# Altium PCB 2022飞镖系统主控板.V2.PcbDoc
Units mil, origin at the board's own origin, x right, y up, seen from the top; angles counter-clockwise.
Board outline 2334.28 x 3460 mil, 2 copper layers (Top Layer, Bottom Layer); 95 components, 63 nets, 328 pads, 227 vias.
Unrouted connection lines stored in the file: 1.
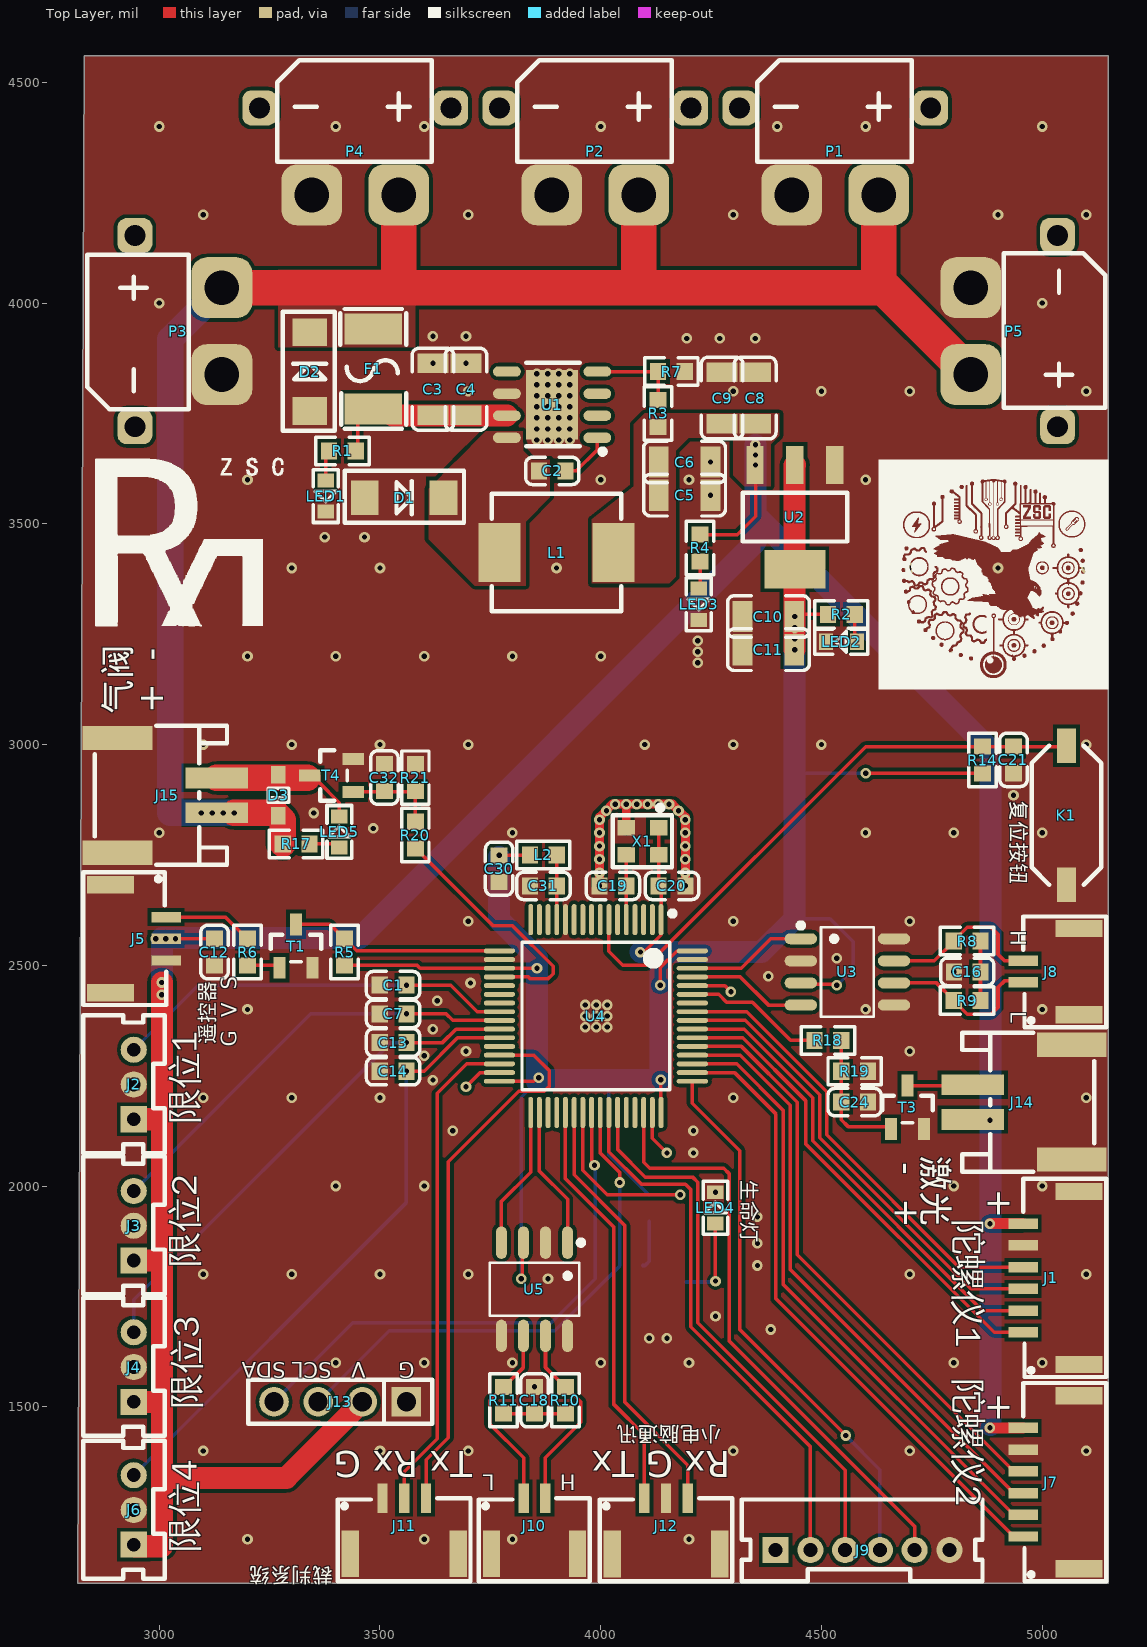
[diagram p0: Top Layer view]
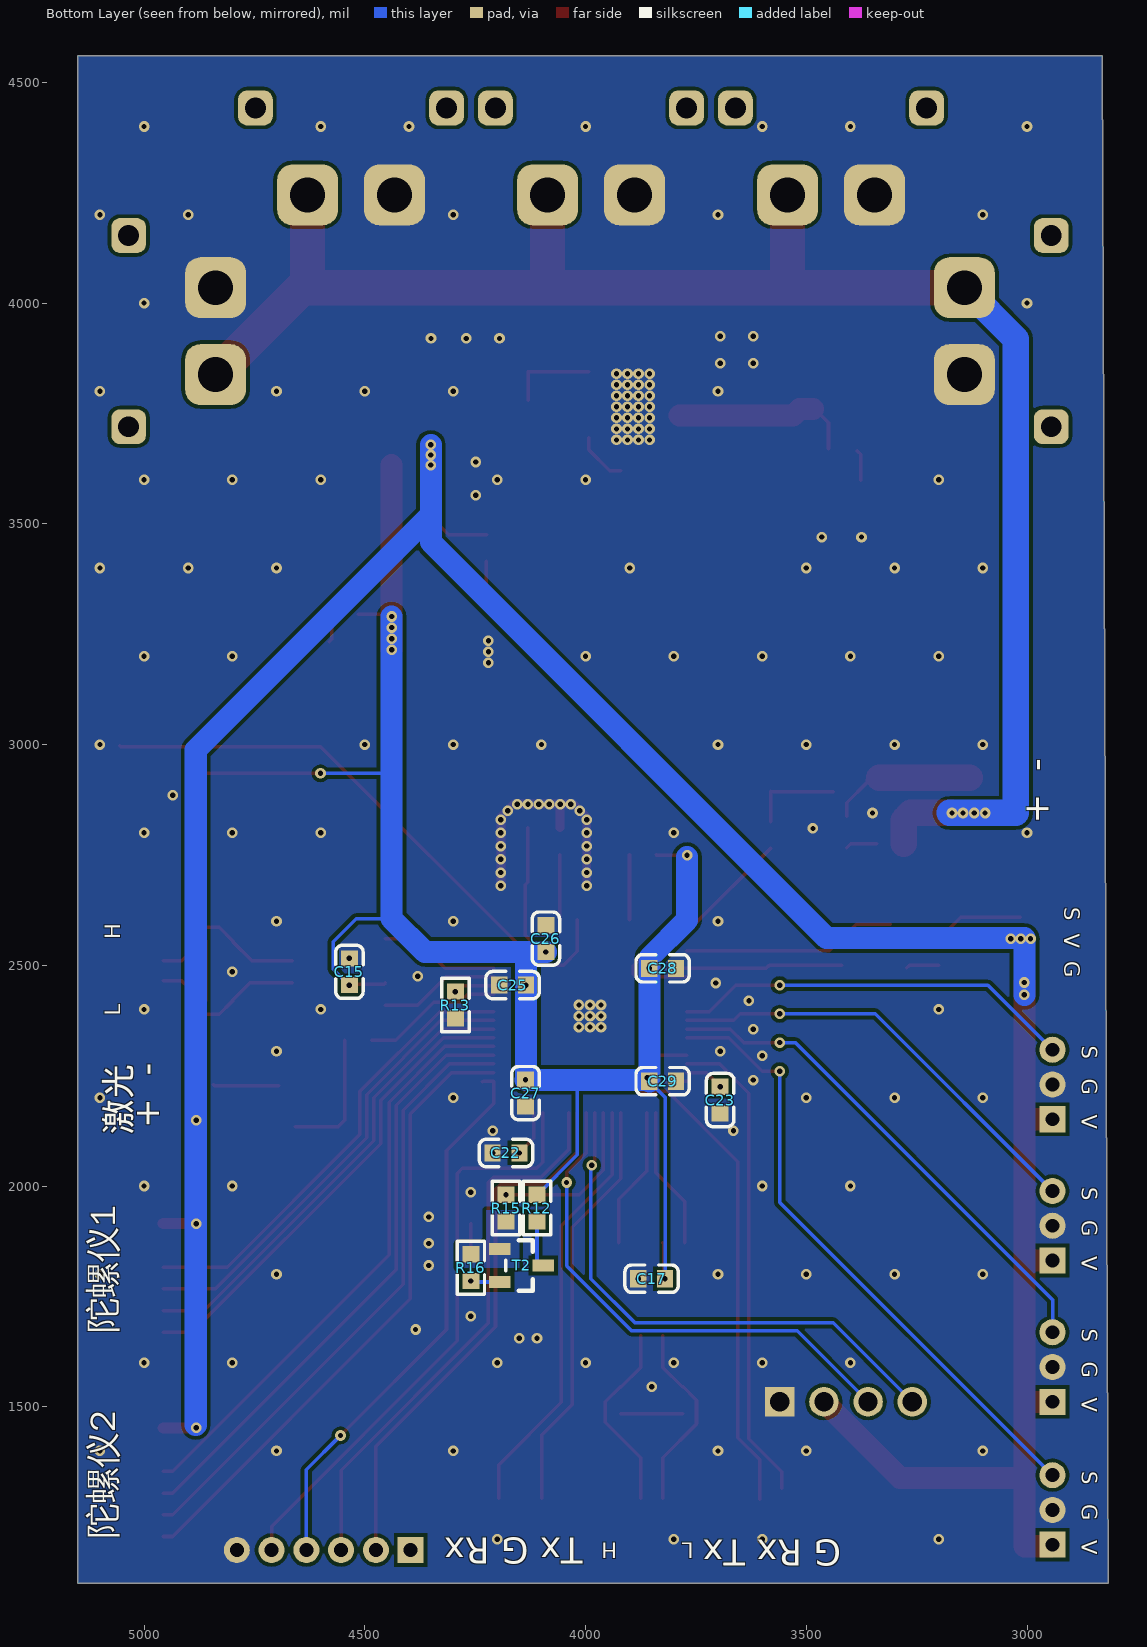
[diagram p1: Bottom Layer view, seen from below]
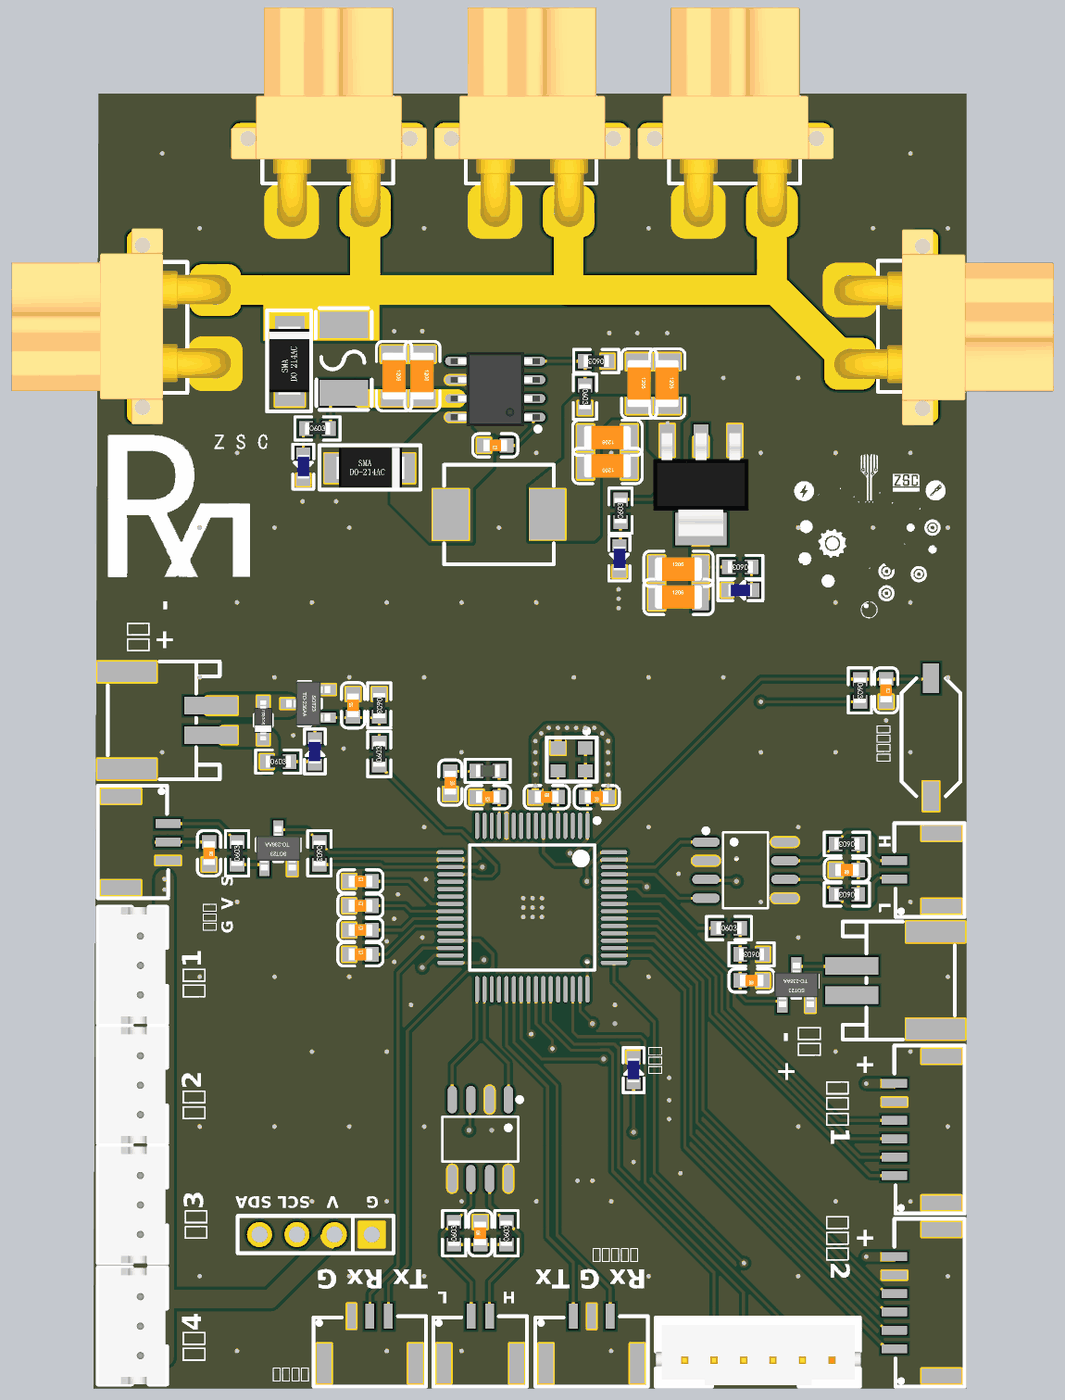
[diagram p2: 3D render of the assembled board from above, using the file's embedded part models]
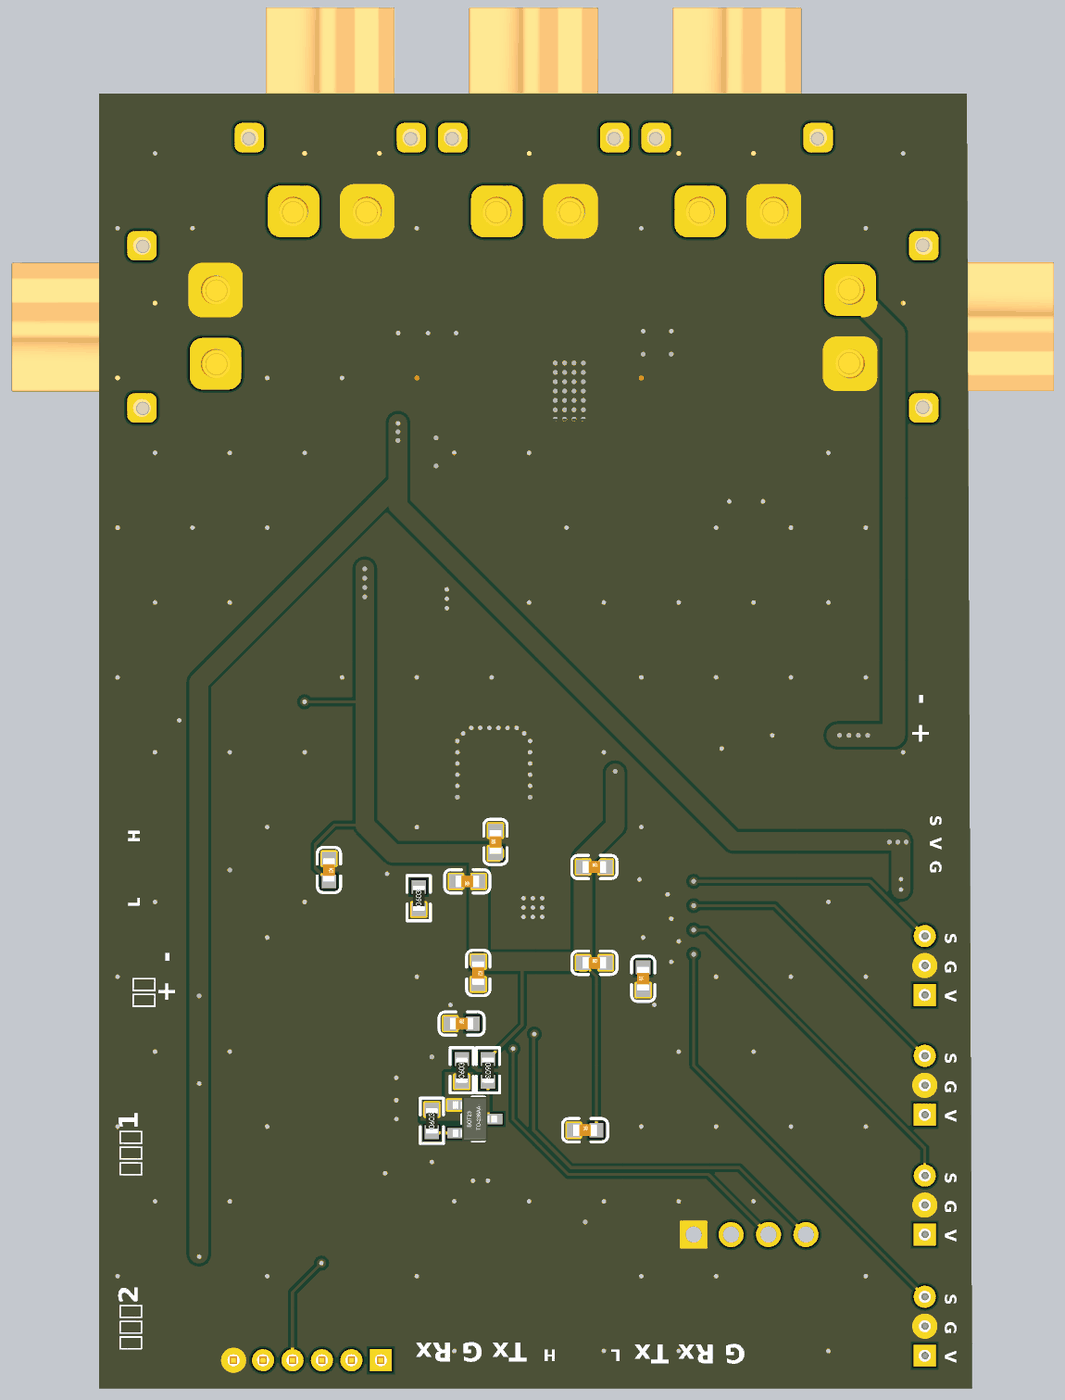
[diagram p3: 3D render of the assembled board from below, using the file's embedded part models]

## Layer stack, top to bottom
Top Solder: solder mask 0.4, Solder Resist, Dk 3.5
Top Layer: signal copper 1.4
Dielectric 1: dielectric 12.6, FR-4, Dk 4.8
Bottom Layer: signal copper 1.4
Bottom Solder: solder mask 0.4, Solder Resist, Dk 3.5

## Board outline
2815.72,1100 2829.76,4560 5150,4560 5150,1100

## Design rules (kind name [scope] priority, off if disabled: settings)
Clearance [All] p1: gap=8 ignorepadtopadclearanceinfootprint=FALSE
PolygonConnect [All] p1: connectstyle=Direct reliefconductorwidth=10 reliefentries=4 polygonreliefangle="90 Angle" airgapwidth=10
RoomDefinition 2022飞镖系统主控板.V2 [InComponentClass('2022飞镖系统主控板.V2')] p1: confinementstyle=ConfineIn formatcopy=TRUE lockcomponents=FALSE outline 0,0 2000,0 2000,1000 0,1000
RoutingVias [All] p1: holewidth=28 width=50 viastyle="Through Hole" minholewidth=28 minwidth=50 maxholewidth=28 maxwidth=50
SolderMaskExpansion [All] p1: expansion=4 istentingtop=FALSE
Width [All] p1: maxlimit=100 minlimit=6 preferedwidth=8
30 further rules are at their usual default settings.

## Components (designator, comment, footprint, x,y, rotation, side; value= is the part's Value field where it differs from the comment)
C1 "100nF" 0603_C 3530,2455 r0 top
C2 "?F" 0603_C 3890,3620 r180 top
C3 "?F" 1206_C 3620,3805 r270 top
C4 "?F" 1206_C 3695,3805 r270 top
C5 "?F" 1206_C 4190,3565 r180 top
C6 "?F" 1206_C 4190,3640 r180 top
C7 "100nF" 0603_C 3530,2390 r0 top
C8 "?F" 1206_C 4350,3785 r270 top
C9 "?F" 1206_C 4275,3785 r270 top
C10 "?F" 1206_C 4380,3290 r0 top
C11 "?F" 1206_C 4380,3215 r0 top
C12 "100nF" 0603_C 3125,2529.69 r270 top
C13 "100nF" 0603_C 3530,2325 r0 top
C14 "100nF" 0603_C 3530,2260 r0 top
C15 "100nF" 0603_C 4535,2485 r270 bottom
C16 "10pF" 0603_C 4830,2485.31 r180 top
C17 "100nF" 0603_C 3850,1790 r180 bottom
C18 "10pF" 0603_C 3850,1515 r90 top
C19 "18pF" 0603_C 4027.95,2680 r0 top
C20 "100nF" 0603_C 4161.18,2680 r180 top
C21 "100nF" 0603_C 4935,2965 r270 top
C22 "100nF" 0603_C 4180,2075 r180 bottom
C23 "100nF" 0603_C 3695,2195 r90 bottom
C24 "100nF" 0603_C 4575,2190 r180 top
C25 "100nF" 0603_C 4165.63,2455 r0 bottom
C26 "100nF" 0603_C 4090,2560.63 r90 bottom
C27 "100nF" 0603_C 4135.98,2210 r270 bottom
C28 "100nF" 0603_C 3825,2493.27 r180 bottom
C29 "100nF" 0603_C 3825,2237.36 r180 bottom
C30 "100nF" 0603_C 3770,2718.39 r270 top
C31 "100nF" 0603_C 3870,2680 r180 top
C32 "100nF" 0603_C 3510,2925.63 r90 top
D1 "SS34" SMA(DO-214AC) 3560,3560 r180 top
D2 "SMAJ28A" SMA(DO-214AC) 3340,3850 r270 top
D3 "稳压二极管" SOD-323 3270,2885 r90 top
F1 "保险丝" 1812_F 3485,3850.75 r270 top
J1 "HDR  1x6" "GH 6P 1.25mm 卧 贴" 4957.01,1767.09 r270 top
J2 "HDR  1x3" "PH 3P 2mm 立 插" 2942.25,2151.26 r90 top
J3 "HDR  1x3" "PH 3P 2mm 立 插" 2942.25,1831.26 r90 top
J4 "HDR  1x3" "PH 3P 2mm 立 插" 2942.25,1511.26 r90 top
J5 "HEADER1x3" "GH 3P 1.25mm 卧 贴" 2952.72,2560 r90 top
J6 "HDR  1x3" "PH 3P 2mm 立 插" 2942.25,1187.52 r90 top
J7 "HDR  1x6" "GH 6P 1.25mm 卧 贴" 4957.01,1304.53 r270 top
J8 "HDR  1x2" "GH 2P 1.25mm 卧 贴" 5020,2485.84 r270 top
J9 "PH6PIN" "PH 6P 2mm 立 插" 4396.26,1175.42 r0 top
J10 "HDR  1x2" "GH 2P 1.25mm 卧 贴" 3850,1230 r180 top
J11 "HDR  1x3" "GH 3P 1.25mm 卧 贴" 3555,1230 r180 top
J12 "HDR  1x3" "GH 3P 1.25mm 卧 贴" 4147.95,1229.92 r180 top
J13 "HDR  1x4" "排针排母 4P 2.54mm" 3410,1511.26 r180 top
J14 "HDR1x2" FPC-SMD_2P-P2.00_DEALON_PH-2PWB 4955.06,2190 r90 top
J15 "HDR1x2" FPC-SMD_2P-P2.00_DEALON_PH-2PWB 3017.66,2885 r270 top
K1 "KEY-2P" SW-按键 5055,2840 r90 top
L1 "15uH" SMD_7.3*6.6*3MM_0630 3900,3435 r180 top
L2 "10uH" 0603_L 3870,2750 r0 top
LED1 "LED" LED_0603 3375,3565 r270 top
LED2 "LED" LED_0603 4547.37,3235 r180 top
LED3 "LED" LED_0603 4220,3320 r270 top
LED4 "LED" LED_0603 4262,1948.43 r90 top
LED5 "LED" LED_0603 3410,2800 r90 top
P1 "XT30,XT60" XT30PW-F 4629.68,4245.13 r0 top
P2 "XT30,XT60" XT30PW-F 4086.05,4245.13 r0 top
P3 "XT30,XT60" XT30PW-F 3141.85,4034.96 r90 top
P4 "XT30,XT60" XT30PW-F 3542.43,4245.13 r0 top
P5 "XT30,XT60" XT30PW-F 4838.15,3838.11 r270 top
R1 "RES" 0603_R 3415,3665 r0 top
R2 "RES" 0603_R 4545,3295 r180 top
R3 "10K" 0603_R 4130,3750 r270 top
R4 "RES" 0603_R 4225,3445.31 r90 top
R5 "4.7K" 0603_R 3420,2530 r270 top
R6 "4.7K" 0603_R 3200,2530 r90 top
R7 "3.24K" 0603_R 4160,3845 r180 top
R8 "60R" 0603_R 4830,2555 r180 top
R9 "60R" 0603_R 4830,2420 r180 top
R10 "60R" 0603_R 3920,1514.68 r90 top
R11 "60R" 0603_R 3780,1514.68 r90 top
R12 "10K" 0603_R 4110,1950 r270 bottom
R13 "10K" 0603_R 4295,2410 r90 bottom
R14 "10K" 0603_R 4865,2965 r270 top
R15 "10K" 0603_R 4180,1950 r90 bottom
R16 "10K" 0603_R 4260,1815 r90 bottom
R17 "10K" 0603_R 3310,2775 r0 top
R18 "Res" 0603_R 4514.68,2330 r0 top
R19 "Res" 0603_R 4575.32,2260 r180 top
R20 "1K" 0603_R 3580,2795 r90 top
R21 "10K" 0603_R 3580,2925 r270 top
T1 "SS8050" SOT-23 3310,2543.45 r270 top
T2 "SS8050" SOT-23 4145,1820 r0 bottom
T3 "SS8050" SOT-23 4695,2178.45 r270 top
T4 "SS8050" SOT-23 3390,2930 r0 top
U1 "TPS5430" SOP8-EP 3890,3770 r90 top
U2 "AMS1117" SOT-223 4440,3515 r90 top
U3 "MAX3051ESA" SOP8 4540,2485 r0 top
U4 "STM32F405RGTx" LQFP-64_10x10x05P 3989.06,2385 r180 top
U5 "MAX3051ESA" SOP8 3850,1785 r270 top
X1 "XTAL-4" OSC-SMD_4P 4092.95,2785 r180 top

## Footprints (in the part's own frame and the unit in brackets; to place one, negate y for a bottom-side part, rotate by r counter-clockwise, add the part's x,y. Pads: shape width x height; smd on the part's side, far side on the other; paste and mask are expansions set on the pad)
0603_C [mm] "SMD, 0603"
  rect 0.93x0.98 smd: 1(-0.778,0) 2(0.762,0)
  silkscreen extent -1.54,-0.79 1.53,0.79, body extent -0.81,-0.4 0.79,0.4, height 0.3
0603_L [mm] "SMD, 0603"
  rect 0.93x0.98 smd: 1(-0.77,0) 2(0.77,0)
  silkscreen extent -1.53,-0.79 1.54,0.79, body extent -0.82,-0.41 0.83,0.41, height 0.46
0603_R [mm] "SMD, 0603"
  rect 0.93x0.98 smd: 1(-0.77,0) 2(0.77,0)
  silkscreen extent -1.53,-0.79 1.54,0.79, body extent -0.85,-0.4 0.85,0.4, height 0.56
1206_C [mm] "SMD, 1206"
  rect 1.13x1.8 smd: 1(-1.49,0) 2(1.49,0)
  silkscreen extent -2.36,-1.2 2.35,1.2, body extent -1.6,-0.81 1.6,0.79, height 1
1812_F [mm] "SMD, 1812"
  rect 1.78x3.3 smd: 1(-2.305,0) 2(2.305,0)
  silkscreen extent -3.45,-1.9 3.45,1.9
FPC-SMD_2P-P2.00_DEALON_PH-2PWB [mm]
  rect 1.2x3.6 smd: 1(-1,2.85) 2(1,2.85)
  rect 1.4x4 smd: 3(3.3,-2.85) 4(-3.3,-2.85)
  silkscreen extent -4,-4.15 4,3.45
"GH 2P 1.25mm 卧 贴" [mm] "1.25mm"
  rect 1x2.7 smd: 0(-2.475,1.6) 0(2.475,1.6)
  rect 0.6x1.7 smd: 1(-0.625,-1.6) 2(0.625,-1.6)
  silkscreen extent -3.17,-1.6 3.2,3.18
"GH 3P 1.25mm 卧 贴" [mm] "1.25mm"
  rect 1x2.7 smd: 0(-3.1,1.6) 0(3.1,1.6)
  rect 0.6x1.7 smd: 1(1.25,-1.6) 2(0,-1.6) 3(-1.25,-1.6)
  silkscreen extent -3.81,-1.6 3.82,3.18
"GH 6P 1.25mm 卧 贴" [mm] "1.25mm"
  rect 1x2.7 smd: 0(-5.6,3.2) 0(4.35,3.2)
  rect 0.6x1.7 smd: 1(2.5,0) 2(1.25,0) 3(0,0) 4(-1.25,0) 5(-2.5,0) 6(-3.75,0)
  silkscreen extent -6.33,0 5.07,4.78
LED_0603 [mm]
  rect 0.8x0.95 smd: 1(-0.849,0.051) 2(0.951,0.051)
  silkscreen extent -1.47,-0.66 1.57,0.76, body extent -0.75,-0.34 0.85,0.46, height 0.8
LQFP-64_10x10x05P [mm]
  oval 0.28x1.8 smd mask+0.051: 1(-3.75,-5.55) 2(-3.25,-5.55) 3(-2.75,-5.55) 4(-2.25,-5.55) 5(-1.75,-5.55) 6(-1.25,-5.55) 7(-0.75,-5.55) 8(-0.25,-5.55) 9(0.25,-5.55) 10(0.75,-5.55) 11(1.25,-5.55) 12(1.75,-5.55) 13(2.25,-5.55) 14(2.75,-5.55) 15(3.25,-5.55) 16(3.75,-5.55) 33(3.75,5.55) 34(3.25,5.55) 35(2.75,5.55) 36(2.25,5.55) 37(1.75,5.55) 38(1.25,5.55) 39(0.75,5.55) 40(0.25,5.55) 41(-0.25,5.55) 42(-0.75,5.55) 43(-1.25,5.55) 44(-1.75,5.55) 45(-2.25,5.55) 46(-2.75,5.55) 47(-3.25,5.55) 48(-3.75,5.55)
  oval 1.8x0.28 smd mask+0.051: 17(5.55,-3.75) 18(5.55,-3.25) 19(5.55,-2.75) 20(5.55,-2.25) 21(5.55,-1.75) 22(5.55,-1.25) 23(5.55,-0.75) 24(5.55,-0.25) 25(5.55,0.25) 26(5.55,0.75) 27(5.55,1.25) 28(5.55,1.75) 29(5.55,2.25) 30(5.55,2.75) 31(5.55,3.25) 32(5.55,3.75) 49(-5.55,3.75) 50(-5.55,3.25) 51(-5.55,2.75) 52(-5.55,2.25) 53(-5.55,1.75) 54(-5.55,1.25) 55(-5.55,0.75) 56(-5.55,0.25) 57(-5.55,-0.25) 58(-5.55,-0.75) 59(-5.55,-1.25) 60(-5.55,-1.75) 61(-5.55,-2.25) 62(-5.55,-2.75) 63(-5.55,-3.25) 64(-5.55,-3.75)
  silkscreen extent -4.55,-6.05 4.25,4.25
OSC-SMD_4P [mil]
  rect 39.37x35.43 smd: 1(-38.23,-26.42) 2(35,-26.42) 3(35,35) 4(-38.23,35)
  silkscreen extent -69,-78 65,63
"PH 3P 2mm 立 插" [mm] "2mm"
  rect 1.5x1.5 hole 0.8: 1(0,0)
  round 1.5 hole 0.8: 2(2,0) 3(4,0)
  silkscreen extent -1.95,-1.79 5.98,2.91, body extent -1.94,-1.68 5.96,2.82, height 6
"PH 6P 2mm 立 插" [mm] "2mm"
  rect 1.5x1.5 hole 0.8: 1(0,0)
  round 1.5 hole 0.8: 2(2,0) 3(4,0) 4(6,0) 5(8,0) 6(10,0)
  silkscreen extent -1.95,-1.79 11.9,2.91, body extent -1.95,-1.7 11.95,2.8, height 6
SMA(DO-214AC) [mm] "SMA(DO-214AC)"
  rect 1.6x2 smd: 1(2.403,0.025) 2(-2.132,0.025)
  silkscreen extent -3.31,-1.52 3.55,1.47, body extent -2.21,-1.35 2.39,1.35, height 2.4
SMD_7.3*6.6*3MM_0630 [mm] "SMD,0630"
  rect 2.424x3.42 smd: 1(3.278,0) 2(-3.278,0)
  silkscreen extent -3.73,-3.38 3.73,3.38, body extent -3.72,-3.38 3.73,3.38, height 3
SOD-323 [mm]
  rect 1x0.83 smd: 1(1.18,0) 2(-1.18,0)
  silkscreen extent -0.4,-0.6 0.4,0.6, body extent -1.35,-0.62 1.35,0.63, height 1.1
SOP8 [mm] "L4.9-W3.9-P1.27-LS6.0-BL"
  oval 1.865x0.63 smd: 1(-2.204,1.905) 2(-2.204,0.635) 3(-2.204,-0.635) 4(-2.204,-1.905) 5(3.161,-1.905) 6(3.161,-0.635) 7(3.161,0.635) 8(3.161,1.905)
  silkscreen extent -2.35,-2.58 2,2.82
SOP8-EP [mm]
  rect 4x3 smd: 0(0,0)
  oval 0.6x1.6 smd: 1(-1.905,-2.6) 2(-0.635,-2.6) 3(0.635,-2.6) 4(1.905,-2.6) 5(1.905,2.6) 6(0.635,2.6) 7(-0.635,2.6) 8(-1.905,2.6)
  silkscreen extent -2.85,-3.05 2.4,1.5, body extent -2.51,-3.02 2.51,3.02, height 1.6
SOT-23 [mm]
  rect 1.25x0.7 smd: 1(1.25,-0.95) 2(1.25,0.95) 3(-1.25,0)
  silkscreen extent -0.65,-1.46 0.9,1.46, body extent -1.5,-1.5 1.5,1.5, height 1.3
SOT-223 [mm]
  rect 2.2x1 smd: 1(3,-2.3) 2(3,0) 3(3,2.3)
  rect 2.2x3.5 smd: 2(-3,0)
  silkscreen extent -1.4,-3 1.4,3, body extent -3.49,-3.24 3.49,3.24, height 1.64
SW-按键 [mm]
  rect 2x1.1 smd: 1(-4,0) 2(4,0)
  silkscreen extent -4,-2 4,2
XT30PW-F [mm]
  rrect50% 2x2 hole 1.2: 0(-8,5) 0(3,5)
  rrect50% 3.5x3.5 hole 2: 1(0,0) 2(-5,0)
  silkscreen extent -6.98,1.91 1.91,7.75, body extent -9.11,-1.06 4.19,13.84, height 5
"排针排母 4P 2.54mm" [mm]
  rect 1.7x1.7 hole 1.1: 1(-3.81,0)
  round 1.7 hole 1.1: 2(-1.27,0) 3(1.27,0) 4(3.81,0)
  silkscreen extent -5.29,-1.27 5.29,1.27

## Part data
C1 C7 C12 C13 C14 C21 C24 C25 C26 C27 C28 C29 C30 C31 C32: library part Cap, LatestRevisionDate=17-Jul-2002, LatestRevisionNote="Re-released for DXP Platform.", PackageReference=RAD-0.3, Published=8-Jun-2000, Publisher="Altium Limited"
C2 C3 C4 C5 C6 C8 C9 C10 C11 C15 C17 C19 C20 C22 C23: library part CAP, "Capacitor"
C16 C18: library part C, Package=0603, SuppliersPartNumber=C19666, ComponentLink1Description=供应商链接, ComponentLink1URL=http://www.szlcsc.com/product/details_20375.html, Supplier=LC
D1: "肖特基二极管", BOM_JLCPCB Part Class="Extended Part", BOM_Manufacturer="SHOU HAN", BOM_Manufacturer Part=MSK12C02, BOM_Supplier=LCSC, BOM_Supplier Part=C431540, Contributor=LCSC, spicePre=S, spiceSymbolName=MSK12C02
D2: "TVS"
J1 J2 J3 J4 J6 J7 J8 J10 J11 J12 J13 J14 J15: "Connector"
J9: library part "PH 6P"
K1: "Key"
L1 L2: library part Inductor, "Inductor", Code_IEC=1005, Code_JEITA=0402, LatestRevisionDate=17-Jul-2002, LatestRevisionNote="Re-released for DXP Platform.", PackageReference=0402-A, Published=8-Jun-2000, Publisher="Altium Limited"
P1 P2 P3 P4 P5: library part XT, "电源接口"
R1 R2 R4: "Resistor"
R3 R7 R12 R13 R15 R16: library part RES, "Resistor"
R5 R6 R14 R17 R20 R21: library part Res, LatestRevisionDate=17-Jul-2002, LatestRevisionNote="Re-released for DXP Platform.", PackageReference=AXIAL-0.4, Published=8-Jun-2000, Publisher="Altium Limited"
R8 R9 R10 R11: library part R
T1 T2 T3 T4: "NPN", PackageDocument=Sep-1998, Code_JEDEC=TO-92A, ComponentLink1Description="Manufacturer Link", ComponentLink1URL=http://www.fairchildsemi.com/, ComponentLink2Description=Datasheet, ComponentLink2URL=http://www.fairchildsemi.com/ds/2N%2F2N3904.pdf, DatasheetDocument=1997, LatestRevisionDate=15-Jan-2003, LatestRevisionNote="PCB Footprint 'BCY-W3/D4.7' replaced", PackageReference=TO-92A, Published=8-Jun-2000, Publisher="Altium Limited"
U1: "DC-DC 降压芯片"
U2: "LDO"
U3 U5: "CAN芯片"
U4: "STM32单片机"
X1: "Oscillator"
R18 R19: LatestRevisionDate=17-Jul-2002, LatestRevisionNote="Re-released for DXP Platform.", PackageReference=AXIAL-0.4, Published=8-Jun-2000, Publisher="Altium Limited"

## Via types
v1: diameter 24, hole 12, Top Layer to Bottom Layer, 137 vias
v2: diameter 24, hole 12, Top Layer to Bottom Layer, tented both sides, 90 vias

## Nets (pads, with @x,y where several pads share a name; then routed paths per layer and width w, separated by ;. In a path a pad name is that pad's centre, name@x,y a point inside that pad or via, vN(x,y) a via of type N, cw(c..) or ccw(c..) an arc to the next point about the centre after c; other vN are vias at no path point)
3V3: C10.2 C11.2 C15.2 C17.2 C20.2 C25.1 C26.1 C27.1 C28.1 C29.1 C30.1 L2.1 R2.2 R5.2 R12.1 R14.2 U2.2 U3.3 U4.1 U4.19 U4.32 U4.48 U4.64 U5.3 X1.1 X1.4 | length 5414.2
  Top Layer w8: R5.2 3584.34,2499.68 3590.76,2493.27 U4.19 v1(3855.63,2493.27) ; v1(3770,2749.02) 3838.7,2749.02 L2.1 ; U4.32 3848.03,2237.36 3855.67,2245 v1(3860,2245) ; v1(3820,1790) 3822.5,1792.5 3822.5,1869.27 U5.3 ; v1(4090,2530) 4093.06,2533.06 4101.25,2533.06 4136.12,2567.92 4136.12,2602.93 U4.1 4136.69,2682.51 4131.18,2688.02 X1.4 X1.1 ; v1(4135,2455) 4135,2495.08 4171.98,2532.06 4206.98,2532.06 U4.64 ; v1(4135.98,2240.63) 4136.34,2240.28 4136.34,2166.85 U4.48 ; v1(4439.33,3290) 4444.33,3295 R2.2 ; U3.3 4455.73,2457.5 4532.5,2457.5 v1(4535,2455) ; v1(4600.32,2934.68) R14.2
  Top Layer w50: v1(4439.33,3215) v1(4439.33,3240) v1(4439.33,3265) v1(4439.33,3290) 4439.33,3632.44 U2.2@4440,3633.11
  Bottom Layer w8: v1(3820,1790) 3820,2200.75 3855.63,2236.38 C29.1 ; 4018.58,2240.63 4018.58,2070.75 4109.02,1980.31 R12.1 ; 4439.33,2605.67 4519.33,2605.67 4571.72,2553.28 4571.72,2490.73 4535.98,2455 v1(4535,2455) ; 4439.33,2935 4439.65,2934.68 v1(4600.32,2934.68)
  Bottom Layer w50: v1@3770,2745 3770,2602.54 3855.63,2516.91 v1(3855.63,2493.27) C29.1 3855.63,2240.63 v1(3860,2245) ; C29.1@3858.9,2240.63 4018.58,2240.63 v1(4135.98,2240.63) 4135,2241.61 v1(4135,2455) 4135,2530 ; v1(4090,2530) 4135,2530 ; v1(4439.33,3290) v1(4439.33,3265) v1(4439.33,3240) v1(4439.33,3215) 4439.33,2935 4439.33,2605.67 4363.66,2530 4135,2530
5V: C5.2 C6.2 C8.2 C9.2 C12.1 J1.6 J2.1 J3.1 J4.1 J5.2 J6.1 J7.6 J13.2 J14.1 L1.2 R3.2 R4.2 U2.3 | length 6927.7
  Top Layer w8: J5.2 3124.68,2560 C12.1 ; R4.2@4224.37,3475 R4.2 4309.63,3475.63 4351,3517 4351,3632.66 v1(4350.55,3633.11)
  Top Layer w25: v1(4881.73,1452.17) J7.6 ; v1(4881.73,1914.73) J1.6
  Top Layer w50: J6.1 2945.77,1184 3006,1184 3006,1339 ; J4.1 3002.74,1511.26 3006,1508 ; J3.1 3005.26,1831.26 3006,1832 ; J2.1 3005.74,2151.26 3006,2151 ; v1(3006,2461) v1(3006,2433) 3006,2151 ; J13.2 3287.74,1339 3006,1339 ; 3006,1339 3006,1508 ; 3006,1508 3006,1832 ; 3006,1832 3006,2151
  Bottom Layer w50: v1(3006,2433) v1(3006,2461) 3006,2562 3454,2562 4350.55,3458.55 4350.55,3520 ; v1(4350.55,3678.89) v1(4350.55,3656) v1(4350.55,3633.11) 4350.55,3520 ; v1@4883,1459 4883,2987.55 4350.55,3520
  other v1: 4882,2149 2992,2560 3014.5,2560 3037,2560
24V: D2.2 D3.2 F1.1 J15.2 P1.1 P2.1 P3.1 P4.1 P5.1 R17.1 | length 3973.2
  Top Layer w60: v1(3170,2845) 3263.54,2845 D3.2 3279.69,2828.86 R17.1
  Top Layer w80: P3.1 3540,4034.96 ; P4.1 3542.43,4037.39 3540,4034.96 ; P2.1 4086.05,4036.01 4085,4034.96 ; P1.1 4629.68,4046.58 4641.3,4034.96 ; P5.1 4641.3,4034.96 ; 3540,4034.96 4085,4034.96 ; 4085,4034.96 4641.3,4034.96
  Bottom Layer w60: P3.1 3025,3918.11 3025,2845 v1(3095,2845) v1(3119.87,2845) v1(3145,2845) v1(3170,2845) v1@3175,2845
CAN1_H: J8.1 R8.2 U3.7 | length 383
  Top Layer w8: U3.7 4755.67,2510 4799.68,2554.02 R8.2 4799.68,2555.98 4829.99,2586.29 4883.59,2586.29 4900,2569.88 4900,2525 4914.56,2510.44 J8.1
CAN1_L: J8.2 R9.2 U3.6 | length 380
  Top Layer w8: U3.6 4760.67,2460 4799.68,2420.98 R9.2 ; R9.2@4799.68,2419.02 4829.99,2388.71 4883.59,2388.71 4900,2405.12 4900,2450 4914.56,2464.56 J8.2@4957.01,2464.56
CAN2_H: J10.1 R10.2 U5.7 | length 435.1
  Top Layer w8: J10.1 3874.61,1384.41 3955,1464.8 3955,1510.98 3920.98,1545 R10.2 3919.02,1545 3875,1589.02 U5.7
CAN2_L: J10.2 R11.2 U5.6 | length 432.1
  Top Layer w8: U5.6 3825,1589.02 3780.98,1545 R11.2 3779.02,1545 3748.71,1514.69 3748.71,1461.09 3825.39,1384.41 J10.2
GND: C1.1 C3.1 C4.1 C5.1 C6.1 C7.1 C8.1 C9.1 C10.1 C11.1 C12.2 C13.1 C14.1 C15.1 C16.2 C17.1 C18.2 C19.1 C20.1 C21.2 C22.1 C23.1 C24.1 C25.2 C26.2 C27.2 C28.2 C29.2 C30.2 C31.2 C32.2 D1.1 D2.1 J1.0 J1.5 J2.2 J3.2 J4.2 J5.0 J5.3 J6.2 J7.0 J7.5 J8.0 J9.6 J10.0 J11.0 J11.1 J12.0 J12.2 J13.1 J14.3 J14.4 J15.3 J15.4 K1.1 LED1.2 LED2.2 LED3.2 LED4.2 P1.2 P2.2 P3.2 P4.2 P5.2 R7.1 R13.1 R19.1 R21.1 T1.2 T3.2 T4.2 U1.0 U1.6 U2.1 U3.2 U3.5 U3.8 U4.12 U4.18 U4.63 U5.2 U5.5 U5.8 X1.2 | length 584.6
  Top Layer w20: v1(3997.32,2680) v1(3997.32,2710) v1(3997.32,2740) v1(3997.32,2770) v1(3997.32,2800) 3997.32,2835.71 4011.97,2850.36 4026.61,2865 v1@4060,2865 ; X1.2 4057.95,2862.95 v1@4060,2865 ; v1(4191.81,2680) 4191.81,2835.71 4162.52,2865 v1@4060,2865
  other v1: 3850,1545 4110,1655 4150,1655 4385,1675 4260,1705 3880.63,1790 4355,1820 4355,1870 4355,1930 4260,1985.87 4210,2075 3665,2125 4210,2125 3620,2240 3600,2295 3695,2305 4700,2305 3620,2355 3965,2360 3990,2360 4015,2360 3965,2385 3990,2385 4015,2385 3965,2410 3990,2410 4015,2410 3630,2420 3705,2460 4380,2475 4800,2485.31 4535,2515.63 4191.81,2710 4191.81,2740 4191.81,2770 4191.81,2800 3485,2810 3997.32,2830 4191.81,2830 3350,2845 4012.97,2850.36 4176.17,2850.36 4033.31,2865 4057.61,2865 4081.92,2865 4106.22,2865 4130.52,2865 4154.83,2865 4935,2885 4220,3185 4220,3210 4220,3235 3375,3470 3465,3470 4248.66,3565 4248.66,3640 3855,3690 3880,3690 3905,3690 3930,3690 3855,3715 3880,3715 3905,3715 3930,3715 3855,3740 3880,3740 3905,3740 3930,3740 3855,3765 3880,3765 3905,3765 3930,3765 3855,3790 3880,3790 3905,3790 3930,3790 3855,3815 3880,3815 3905,3815 3930,3815 3855,3840 3880,3840 3905,3840 3930,3840 3620,3863.66 3695,3863.66 4195,3920 4270,3920 4350,3920 3620,3925 3695,3925
  other v2: 3200,1200 3600,1200 3800,1200 4200,1200 3100,1400 3500,1400 3700,1400 4300,1400 4700,1400 5100,1400 3400,1600 3600,1600 3800,1600 4000,1600 4200,1600 4800,1600 5000,1600 3100,1800 3300,1800 3500,1800 3700,1800 4700,1800 5100,1800 3400,2000 3600,2000 4800,2000 5000,2000 3100,2200 3300,2200 3500,2200 4300,2200 5100,2200 3200,2400 4600,2400 5000,2400 3700,2600 4300,2600 4700,2600 3000,2800 3800,2800 4600,2800 4800,2800 5000,2800 3100,3000 3300,3000 3500,3000 3700,3000 4100,3000 4300,3000 4500,3000 5100,3000 3200,3200 3400,3200 3600,3200 3800,3200 4000,3200 4800,3200 5000,3200 3100,3400 3300,3400 3500,3400 3900,3400 4700,3400 4900,3400 5100,3400 3200,3600 4000,3600 4200,3600 4600,3600 4800,3600 5000,3600 3700,3800 4300,3800 4500,3800 4700,3800 5100,3800 3000,4000 5000,4000 3100,4200 3700,4200 4300,4200 4900,4200 5100,4200 3000,4400 3400,4400 3600,4400 4000,4400 4400,4400 4600,4400 5000,4400
NetC2_1: C2.1 U1.1 | length 119
  Top Layer w8: C2.1 3945,3620 3992.36,3667.36 U1.1
NetC2_2: C2.2 D1.2 L1.1 U1.8
NetC3_2: C3.2 C4.2 F1.2 R1.2 U1.7 | length 416
  Top Layer w8: R1.2@3449.68,3670 3449.68,3728.96 3480.73,3760 F1.2
  Top Layer w50: F1.2 3514.92,3760 3529.92,3745 U1.7
NetC16_1: C16.1 R8.1 R9.1 | length 135
  Top Layer w8: R9.1 R8.1
NetC18_1: C18.1 R10.1 R11.1 | length 140
  Top Layer w8: R11.1 R10.1
NetC22_2: C22.2 U4.47 | length 105.2
  Top Layer w8: U4.47 4117.01,2107.99 v1(4150,2075)
NetC23_2: C23.2 U4.31 | length 88.8
  Top Layer w8: v1(3695,2225) 3727.05,2257.05 U4.31
NetC24_2: C24.2 R18.2 R19.2 T3.1 | length 298.9
  Top Layer w8: R18.2 R19.2 C24.2 4545,2150 4560.32,2134.68 T3.1@4657.6,2134.68
NetC32_1: C32.1 R20.2 R21.2 T4.1 | length 209.8
  Top Layer w8: T4.1 R21.2@3577.91,2892.6 ; R20.2 3580,2890.51 R21.2@3577.91,2892.6 ; R21.2 R21.2@3577.91,2892.6
NetD3_1: D3.1 J15.1 LED5.2 T4.3 | length 332
  Top Layer w8: T4.3 3351.61,2930 3361.39,2920.22 3361.39,2915.06 3408,2868.45 LED5.2
  Top Layer w60: J15.1 T4.3@3335.16,2924.37
NetJ5_1: J5.1 R6.2 | length 204.5
  Top Layer w8: J5.1 3150.12,2609.21 3199.02,2560.32 R6.2
NetJ14_2: J14.2 T3.3 | length 148.6
  Top Layer w8: T3.3 4841.14,2227.66 J14.2
NetLED1_1: LED1.1 R1.1 | length 69.8
  Top Layer w8: LED1.1 3377,3657.31 R1.1
NetLED2_1: LED2.1 R2.1 | length 64.3
  Top Layer w8: R2.1 4575.31,3238.49 LED2.1
NetLED3_1: LED3.1 R4.1 | length 62.8
  Top Layer w8: LED3.1 4225,3356.43 R4.1
NetLED4_1: LED4.1 R16.1 T2.2 | length 197
  Top Layer w8: v1(4260,1784.69) LED4.1
  Bottom Layer w8: T2.2 4257.91,1782.6 v1(4260,1784.69)
NetLED5_1: LED5.1 R17.2 | length 71.2
  Top Layer w8: R17.2 3399.57,2775 LED5.1
NetR3_1: R3.1 R7.2 U1.4 | length 202.1
  Top Layer w8: U1.4 R7.2 4130,3844.68 R3.1
NetR6_1: R6.1 T1.1 | length 74.9
  Top Layer w8: R6.1 3267.15,2499.69 T1.1
NetR12_2: R12.2 T2.3 | length 108.2
  Bottom Layer w8: T2.3 4100.22,1820 4110,1829.78 R12.2
NetR13_2: R13.2 U4.60 | length 93.1
  Top Layer w8: U4.60 4281.42,2453.9 v1(4295,2440.32)
NetR15_1: R15.1 R16.2 T2.1
NetR15_2: R15.2 U4.39 | length 374.3
  Top Layer w8: U4.39 3959.53,2035.47 4014.68,1980.32 v1(4180,1980.32)
NRST: C21.1 K1.2 R14.1 U4.7 | length 1327.6
  Top Layer w8: U4.7 4018.58,2531.42 4050,2500 4105,2500 4600.31,2995.31 R14.1 5052.83,2995.31 K1.2
OSC_IN: C19.2 U4.5 X1.3 | length 146.5
  Top Layer w8: U4.5 C19.2 X1.3
PA3/USART2_RX: R5.1 T1.3 U4.17 | length 486
  Top Layer w8: T1.3 3386.67,2592.66 3419.02,2560.32 3420.98,2560.32 3435.29,2546.01 3435.29,2545.02 3447.68,2532.64 U4.17
PA4/气阀: R20.1 U4.20 | length 568.2
  Top Layer w8: R20.1 3580.98,2764.69 3755.67,2590 3800,2590 3892.45,2497.55 3892.45,2480.98 3880.73,2469.27 3840.02,2469.27 3835.71,2473.58 U4.20
PA8/I2C3_SCL: J13.3 U4.41 | length 1176.2
  Top Layer w8: U4.41 3998.9,2074.79 4043,2030.69 v1(4043,2008)
  Bottom Layer w8: J13.3 3520.74,1672 3896,1672 4043,1819 v1(4043,2008)
PA9/USART1_TX: J9.2 U4.42 | length 1238.9
  Top Layer w8: U4.42 4018.58,2077.73 4092.32,2004 4169.74,2004 4170.06,2004.32 4191.97,2004.32 4204,1992.28 4204,1681 4475,1410 J9.2
PA10/USART1_RX: J9.3 U4.43 | length 1267.7
  Top Layer w8: U4.43 4038.27,2082.73 4101,2020 4163.12,2020 4163.43,2020.32 4207.97,2020.32 4220,2008.28 4220,1690 4553.74,1356.26 J9.3
PA15/SPI3_GPIO: J7.1 U4.50 | length 1429.9
  Top Layer w8: U4.50 4302.95,2257.05 4397,2163 4397,1744.46 4935.35,1206.1 J7.1
PB0/限位3: C13.2 J4.3 U4.26 | length 1155.8
  Top Layer w8: v1(3560,2325) 3641.82,2325 3672.3,2355.47 U4.26
  Bottom Layer w8: J4.3 2942.26,1742.26 3525,2325 v1(3560,2325)
PB1/限位4: C14.2 J6.3 U4.27 | length 1412.8
  Top Layer w8: v1(3560,2260) 3600,2260 3675.79,2335.79 U4.27
  Bottom Layer w8: J6.3 3560,1962.74 v1(3560,2260)
PB3/SPI1_SCK: J1.2 U4.55 | length 1070.7
  Top Layer w8: U4.55 4324.78,2355.47 4480,2200.25 4480,2102.63 4864.75,1717.88 J1.2
PB4/SPI1_MISO: J1.3 U4.56 | length 1058.5
  Top Layer w8: U4.56 4327.72,2375.16 4496,2206.88 4496,2109.25 4838.16,1767.09 J1.3
PB5/SPI1_MOSI: J1.4 U4.57 | length 1046.3
  Top Layer w8: U4.57 4330.67,2394.84 4512,2213.51 4512,2115.88 4811.58,1816.31 J1.4
PB7/激光: R18.1 U4.59 | length 320
  Top Layer w8: U4.59 4267.16,2434.21 4285.06,2416.32 4343.75,2416.32 4430.06,2330 R18.1
PB8/CAN1_RX: U3.4 U4.61 | length 272
  Top Layer w8: U4.61 4316.42,2473.58 4380,2410 U3.4
PB9/CAN1_TX: U3.1 U4.62 | length 273.3
  Top Layer w8: U4.62 4318.27,2493.27 4385,2560 U3.1
PB10/USART3_TX: J11.3 U4.29 | length 1248.3
  Top Layer w8: J11.3@3605,1290.29 3605,1380 3655,1430 3655,2055 3814.45,2214.45 3872.28,2214.45 3884,2226.16 3884,2261 3848.58,2296.42 U4.29
PB11/USART3_RX: J11.2 U4.30 | length 1094.1
  Top Layer w8: J11.2@3555.35,1315 3555.35,1322.46 3555.35,1352.98 3630,1427.63 3630,2210 3696.73,2276.73 U4.30
PB12/CAN2_RX: U4.33 U5.4 | length 322.2
  Top Layer w8: U5.4 3775,1965 3841.42,2031.42 U4.33
PB13/CAN2_TX: U4.34 U5.1 | length 321.2
  Top Layer w8: U4.34 3861.1,2033.9 3925,1970 U5.1
PC4/限位1: C1.2 J2.3 U4.24 | length 913.8
  Top Layer w8: v1(3560,2455) 3660,2455 3720.16,2394.84 U4.24
  Bottom Layer w8: J2.3 3088.52,2455 v1(3560,2455)
PC5/限位2: C7.2 J3.3 U4.25 | length 1000.7
  Top Layer w8: v1(3560,2390) 3649.64,2390 3664.48,2375.16 U4.25
  Bottom Layer w8: J3.3 3343.52,2390 v1(3560,2390)
PC6/USART6_TX: J12.1 U4.37 | length 947.6
  Top Layer w8: U4.37 3920.16,2016.84 4030,1907 4030,1505 4098.74,1436.26 J12.1
PC7/USART6_RX: J12.3 U4.38 | length 980.2
  Top Layer w8: U4.38 3939.84,2025.16 4055,1910 4055,1510 4197.17,1367.83 J12.3
PC9/I2C3_SDA: J13.4 U4.40 | length 1223.6
  Top Layer w8: U4.40 3979.21,2058.12 3986,2051.33 v1(3986,2047)
  Bottom Layer w8: J13.4 3438.74,1690 3888,1690 3988,1790 3988,2045 v1(3986,2047)
PC10/SPI3_SCK: J7.2 U4.51 | length 1403.5
  Top Layer w8: U4.51 4308.27,2276.73 4413,2172 4413,1777.67 4935.35,1255.32 J7.2
PC11/SPI3_MISO: J7.3 U4.52 | length 1378.5
  Top Layer w8: U4.52 4315.96,2296.42 4429,2183.37 4429,1810.88 4935.35,1304.53 J7.3
PC12/SPI3_MOSI: J7.4 U4.53 | length 1350.7
  Top Layer w8: U4.53 4318.9,2316.1 4445,2190 4445,1844.09 4935.35,1353.74 J7.4
PD2/SPI1_GPIO: J1.1 U4.54 | length 1083
  Top Layer w8: U4.54 4321.84,2335.79 4464,2193.63 4464,2096 4891.33,1668.67 J1.1
SWCLK: J9.4 U4.49 | length 1264
  Top Layer w8: U4.49@4233.48,2235.97 4232.08,2237.36 U4.49 4207.56,2187.44 4315,2080 4315,1675 v1@4554.72,1435.28
  Bottom Layer w8: v1(4555,1435) 4632.48,1357.52 J9.4
SWDIO: J9.5 U4.46 | length 1343.8
  Top Layer w8: U4.46 4097.32,2053.68 4111,2040 4278.99,2040 4290.7,2028.28 4290.7,1649.3 4711.22,1228.78 J9.5
VDDA: C31.1 L2.2 U4.13 | length 146.6
  Top Layer w8: L2.2 3900.47,2749.84 U4.13
pads on no net: J9.1 P1.0 P2.0 P3.0 P4.0 P5.0 U1.2 U1.3 U1.5 U4.2 U4.3 U4.4 U4.6 U4.8 U4.9 U4.10 U4.11 U4.14 U4.15 U4.16 U4.21 U4.22 U4.23 U4.28 U4.35 U4.36 U4.44 U4.45 U4.58

## Polygon pours and split planes (outlines as drawn)
GND on Top Layer "Top Layer-GND" (solid, pour order 6): 2815.72,1100 2829.76,4560 5150,4560 5150,1100
5V on Top Layer "NONET_L-01_P-001" (solid, pour order 4): 3980,3510 3980,3365 4155,3365 4170,3380 4170,3665 4200,3695 4300,3695 4300,3610 4325,3585 4385,3585 4385,3680 4405,3700 4405,3750 4100,3750 4075,3725 4075,3585
NetC2_2 on Top Layer "NONET_L-01_P-001" (solid, pour order 3): 3740,3710 3825,3710 3825,3665 3845,3645 3885,3645 3885,3560 3830,3505 3830,3360 3715,3360 3610,3465 3610,3580
24V on Top Layer "NONET_L-01_P-001" (solid, pour order 2): 3270,4075 3580,4075 3580,3900 3270,3900
24V on Top Solder "NONET_L-01_P-001" (solid, pour order 0): 3270,4075 3580,4075 3580,3900 3270,3900
GND on Bottom Layer "GND_L02_P007" (solid, pour order 7): 2815.72,1100 2829.76,4560 5150,4560 5150,1100
NetR15_1 on Bottom Layer "NONET_L-01_P-001" (solid, pour order 5): 4150,1945 4225,1945 4225,1880 4235,1870 4290,1870 4290,1815 4150,1815

## Silkscreen, mask and mechanical layers (free items; w line width, h text height)
Top Overlay:
  drawing of 46 lines, arcs and shapes, not listed
  text "+  -" at 3028.07,3071.09 h100 r90
  text "气阀" at 2954.1,3066 h100 r90
  text "复位按钮" at 4917.38,2873.94 h60 r270
  text "H          L" at 4916,2579.31 h60 r270
  text "遥控器" at 3137.67,2321.06 h60 r90
  text "G  V  S" at 3188.44,2316.06 h60 r90
  text "限位1" at 3103.73,2140.85 h100 r90
  text "激光" at 4711.18,2069 h100 r270
  text "-  +" at 4646.93,2053.91 h100 r270
  text "生命灯" at 4307.1,2013.94 h60 r270
  text "+" at 4856.93,1993.91 h100 r270
  text "陀螺仪1" at 4786.36,1924 h100 r270
  text "限位2" at 3103.73,1815.9 h100 r90
  text "G     V   SCL SDA" at 3578.94,1613.44 h60 r180
  text "陀螺仪2" at 4786.36,1564 h100 r270
  text "+" at 4856.93,1531.34 h100 r270
  text "限位3" at 3108.73,1495.94 h100 r90
  text "小电脑通讯" at 4274,1467.73 h60 r180
  text "Tx Rx G" at 3709.14,1418.08 h100 r180
  text "Rx G Tx" at 4294,1418.08 h100 r180
  text "H          L" at 3944,1359 h60 r180
  text "限位4" at 3103.73,1170.31 h100 r90
  text "裁判系统" at 3394,1147.78 h60 r180
Bottom Overlay:
  text "+  -" at 2931.8,2821.09 h100 r270
  text "S  V  G" at 2928.45,2631.93 h60 r90
  text "L          H" at 5041,2386 h60 r270
  text "S   G   V" at 2888.45,2317.2 h60 r90
  text "+  -" at 4946.93,2131.09 h100 r270
  text "激光" at 5011.18,2116 h100 r270
  text "S   G   V" at 2888.44,1997.2 h60 r90
  text "S   G   V" at 2888.44,1677.2 h60 r90
  text "陀螺仪1" at 5046.36,1666 h100 r270
  text "S   G   V" at 2888.44,1353.46 h60 r90
  text "Tx G Rx" at 4006.09,1223.08 h100 r180
  text "G Rx Tx" at 3421.09,1218.08 h100 r180
  text "L          H" at 3754.52,1204 h60 r180
  text "陀螺仪2" at 5046.36,1201 h100 r270
Mechanical 1:
  the board outline again, w10